# Altium PCB LAY-94611_B.PcbDoc (part 15 of 16)
Units mil, origin at the board's own origin, x right, y up, seen from the top; angles counter-clockwise.
Board outline 4133.86 x 2559.05 mil, 10 copper layers (TOP, GND02, ART03, PWR04, PWR05, ART06, GND7, ART08, GND09, BOTTOM), stack 57.82 mil thick; 1104 components, 727 nets, 3774 pads, 1630 vias.
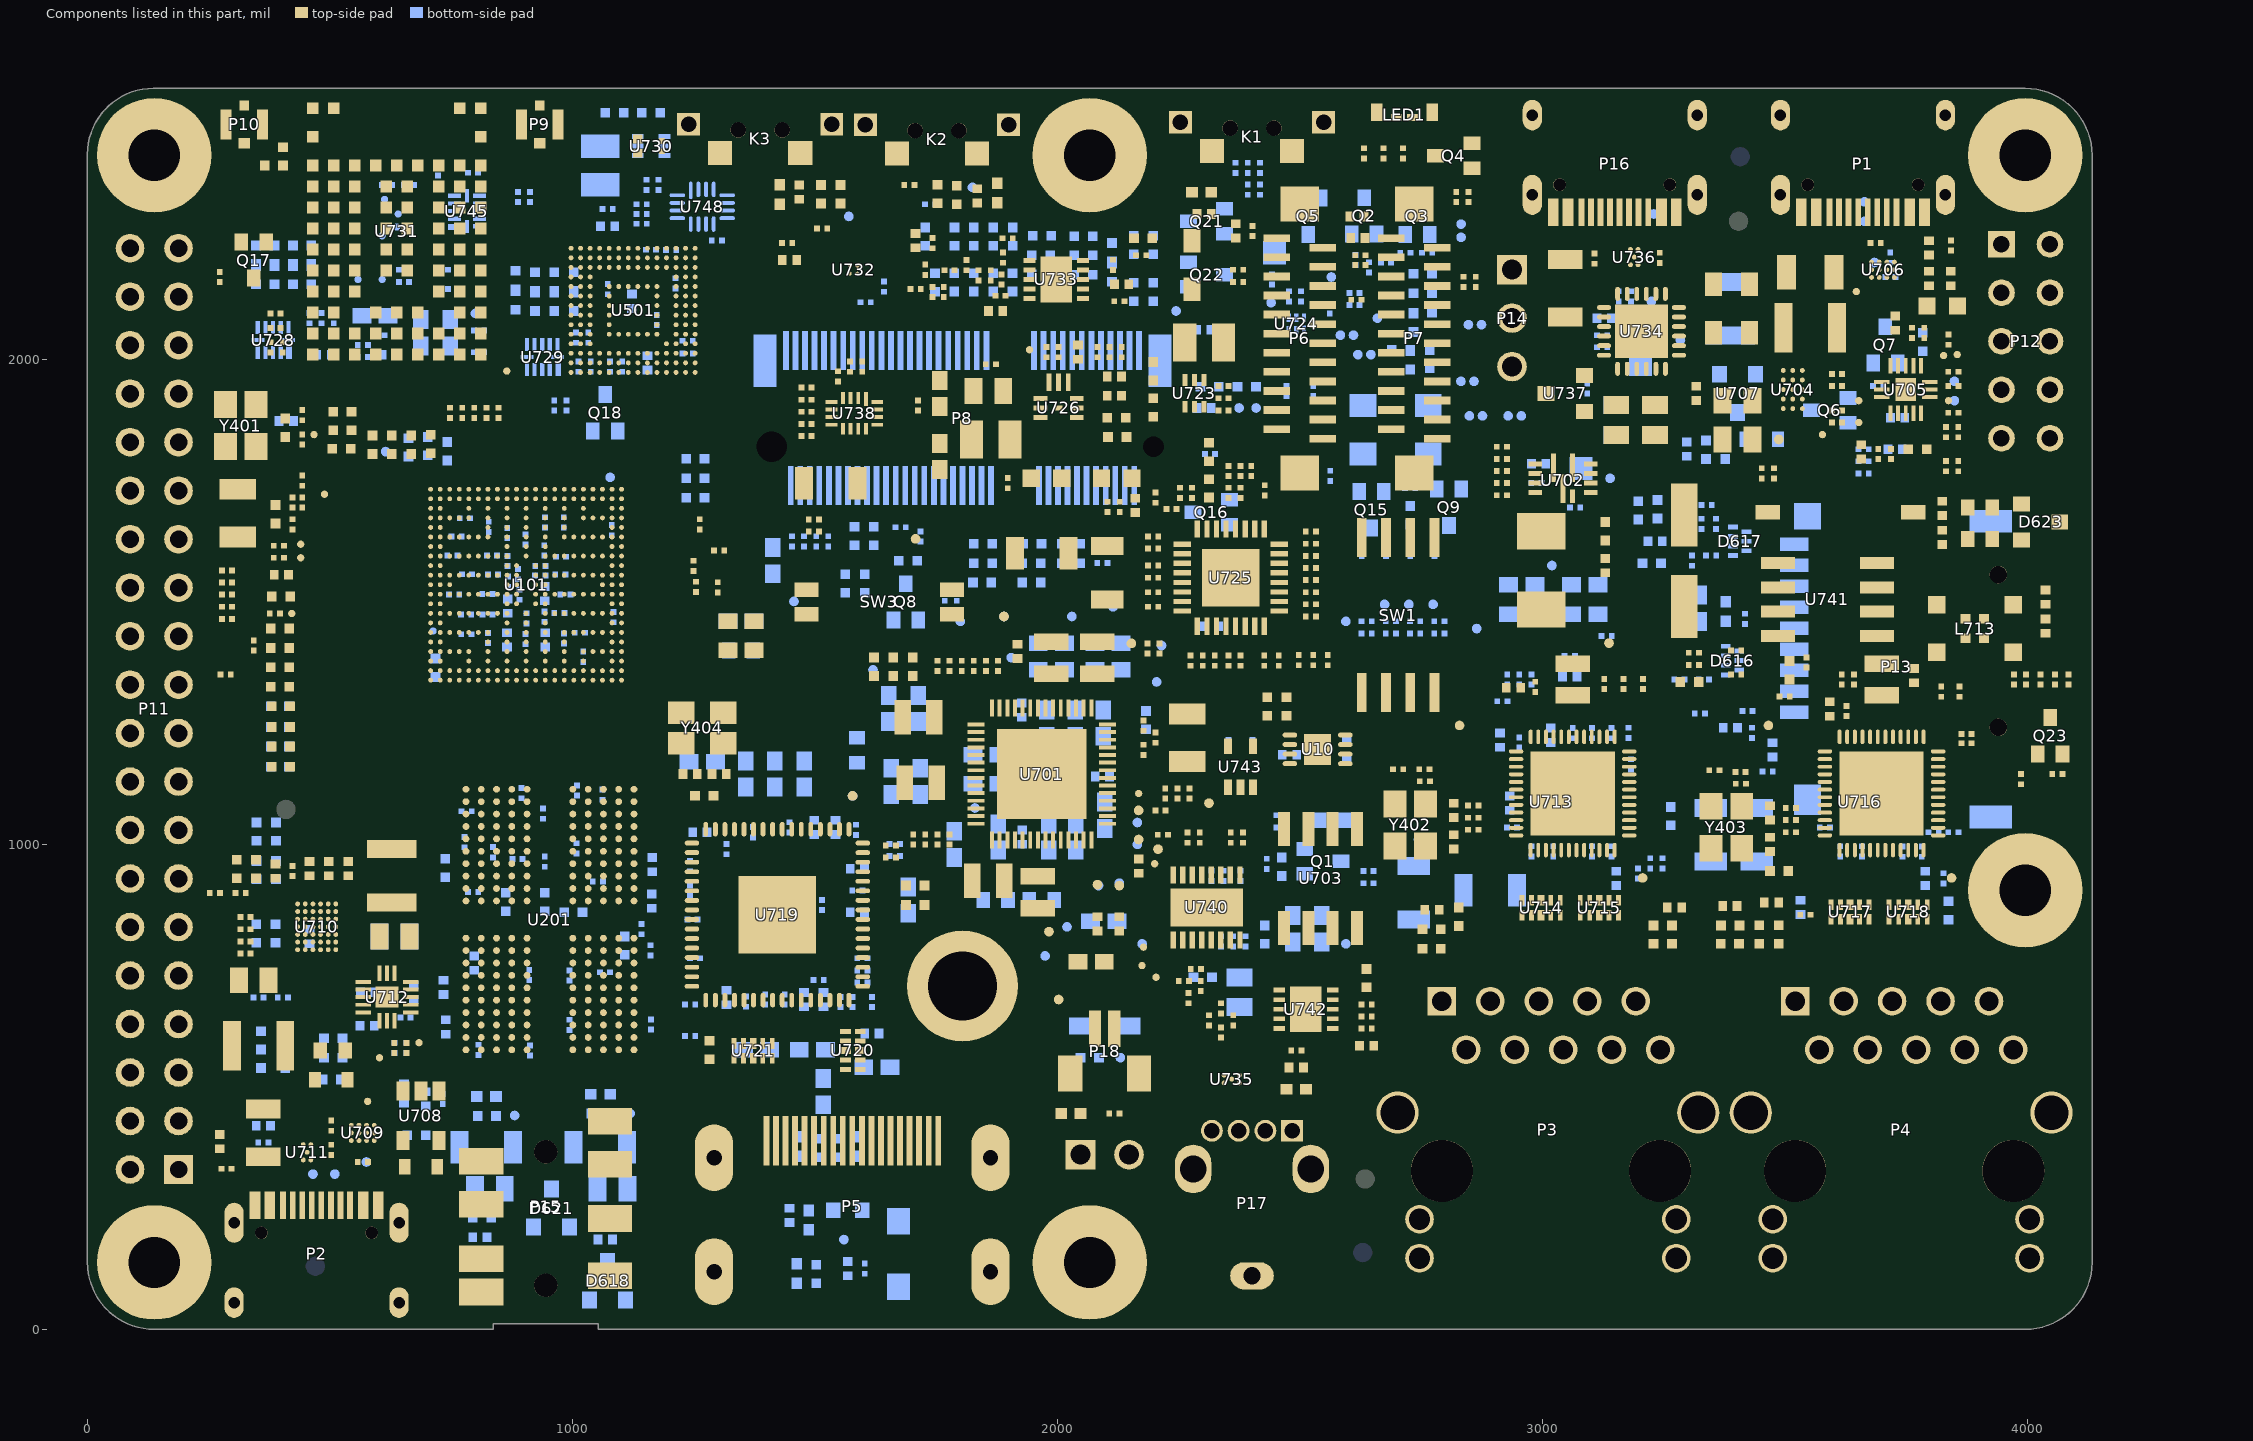
[diagram p23: the components of this part, seen from the top]

## Polygon pours and split planes (outlines as drawn) (continued)
USBC_VBUS_F on TOP "USBC_VBUS_F_L01_P384" (solid, remove dead copper, pour order 384): 29 vertices, not listed, extent 312.8,425 515.8,848
GND on TOP "GND_L01_P380" (solid, remove dead copper, pour order 380): 562.8,1080 562.8,980 572.8,970 682.8,970 697.8,985 700,985 700,997.93 630,1067.93 630,1085 567.8,1085
GND on TOP "GND_L01_P379" (solid, remove dead copper, pour order 379): 604.8,2239 669.8,2239 679.8,2229 679.8,2124 674.8,2119 617.31,2119 599.8,2136.51 599.8,2234
LPD4/X_VDD1 on TOP "LPD4/X_VDD1_L01_P376" (solid, remove dead copper, pour order 376): 23 vertices, not listed, extent 1165.8,2238 1259.8,2404
GND on TOP "GND_L01_P371" (solid, remove dead copper, pour order 371): 1058.8,1443 1064.8,1443 1069.8,1438 1069.8,1395 1067.8,1393 1058.8,1393 1055.8,1396 1055.8,1440
GND on TOP "GND_L01_P370" (solid, remove dead copper, pour order 370): 761.8,1388.12 759.8,1386.12 759.8,1367.59 760.26,1367.13 1050.93,1367.13 1051.8,1368 1051.8,1385 1048.68,1388.12 762.92,1388.12 762.8,1388
LPD4/X_VDDQ on TOP "LPD4/X_VDDQ_L01_P367" (solid, remove dead copper, pour order 367): 20 vertices, not listed, extent 814.18,1430.54 894.53,1463.54
LPD4/X_VDD1 on TOP "LPD4/X_VDD1_L01_P366" (solid, remove dead copper, pour order 366): 17 vertices, not listed, extent 974.64,1508.34 992.33,1559.97
GND on TOP "GND_L01_P365" (solid, remove dead copper, pour order 365): 968.41,1519.23 970.92,1516.72 970.92,1474.1 968.01,1471.19 961.03,1471.19 953.73,1478.49 ccw(c948.07,1478.49) 952.07,1482.5 951.14,1483.43 cw(c953.88,1486.17) 950.01,1486.17 950.01,1486.25 cw(c953.94,1486.25) 951.16,1489.03 952.74,1490.61 ccw(c947.7,1495.64) 954.82,1495.64 954.82,1513.38 960.67,1519.23
VDD_SOC_0V8 on TOP "VDD_SOC_0V8_L01_P363" (solid, remove dead copper, pour order 363): 866.3,1504.5 860.84,1499.04 860.76,1499.04 860.8,1499 860.8,1495 866.35,1495 868.77,1492.58 945.38,1492.58 948.8,1496 948.8,1523 884.8,1523 876.8,1515 876.8,1507 874.3,1504.5
VDD_SOC_0V8 on TOP "VDD_SOC_0V8_L01_P361" (solid, remove dead copper, pour order 361): 17 vertices, not listed, extent 860.8,1546 948.8,1580
GND on GND02 "GND_L02_P231" (solid, remove dead copper, pour order 231): 136.02,2559.05 134,2559.05 ccw(c134,2425.05) 0,2425.05 0,134 ccw(c134,134) 134,0 3999.86,0 ccw(c3999.86,134) 4133.86,134 4133.86,2425.05 ccw(c3999.86,2425.05) 3999.86,2559.05 3136.92,2559.05
GND on GND7 "GND_L07_P270" (solid, remove dead copper, pour order 270): 27 vertices, not listed, extent 25.01,25.01 4108.85,2534.04
GND on GND09 "GND_L09_P275" (solid, remove dead copper, pour order 275): 27 vertices, not listed, extent 25.01,25.01 4108.85,2534.04

## Keep-outs
TOP:
  region: 457.81,1072.16 456.16,1084.69 451.33,1096.37 443.63,1106.39 433.61,1114.09 421.93,1118.92 409.4,1120.57 396.87,1118.92 385.19,1114.09 375.17,1106.39 367.47,1096.37 362.64,1084.69 360.99,1072.16 362.64,1059.63 367.47,1047.95 375.17,1037.93 385.19,1030.23 396.87,1025.4 409.4,1023.75 421.93,1025.4 433.61,1030.23 443.63,1037.93 451.33,1047.95 456.16,1059.63 457.81,1072.16
  region: 2683.41,310 2681.76,322.53 2676.93,334.21 2669.23,344.23 2659.21,351.93 2647.53,356.76 2635,358.41 2622.47,356.76 2610.79,351.93 2600.77,344.23 2593.07,334.21 2588.24,322.53 2586.59,310 2588.24,297.47 2593.07,285.79 2600.77,275.77 2610.79,268.07 2622.47,263.24 2635,261.59 2647.53,263.24 2659.21,268.07 2669.23,275.77 2676.93,285.79 2681.76,297.47 2683.41,310
  region: 3453.41,2285 3451.76,2297.53 3446.93,2309.21 3439.23,2319.23 3429.21,2326.93 3417.53,2331.76 3405,2333.41 3392.47,2331.76 3380.79,2326.93 3370.77,2319.23 3363.07,2309.21 3358.24,2297.53 3356.59,2285 3358.24,2272.47 3363.07,2260.79 3370.77,2250.77 3380.79,2243.07 3392.47,2238.24 3405,2236.59 3417.53,2238.24 3429.21,2243.07 3439.23,2250.77 3446.93,2260.79 3451.76,2272.47 3453.41,2285
BOTTOM:
  region: 3456.81,2418.16 3455.16,2430.69 3450.33,2442.37 3442.63,2452.39 3432.61,2460.09 3420.93,2464.92 3408.4,2466.57 3395.87,2464.92 3384.19,2460.09 3374.17,2452.39 3366.47,2442.37 3361.64,2430.69 3359.99,2418.16 3361.64,2405.63 3366.47,2393.95 3374.17,2383.93 3384.19,2376.23 3395.87,2371.4 3408.4,2369.75 3420.93,2371.4 3432.61,2376.23 3442.63,2383.93 3450.33,2393.95 3455.16,2405.63 3456.81,2418.16
  region: 518.41,130 516.76,142.53 511.93,154.21 504.23,164.23 494.21,171.93 482.53,176.76 470,178.41 457.47,176.76 445.79,171.93 435.77,164.23 428.07,154.21 423.24,142.53 421.59,130 423.24,117.47 428.07,105.79 435.77,95.77 445.79,88.07 457.47,83.24 470,81.59 482.53,83.24 494.21,88.07 504.23,95.77 511.93,105.79 516.76,117.47 518.41,130
  region: 2678.31,158.16 2676.66,170.69 2671.83,182.37 2664.13,192.39 2654.11,200.09 2642.43,204.92 2629.9,206.57 2617.37,204.92 2605.69,200.09 2595.67,192.39 2587.97,182.37 2583.14,170.69 2581.49,158.16 2583.14,145.63 2587.97,133.95 2595.67,123.93 2605.69,116.23 2617.37,111.4 2629.9,109.75 2642.43,111.4 2654.11,116.23 2664.13,123.93 2671.83,133.95 2676.66,145.63 2678.31,158.16
Multi-Layer:
  region: 4153.56,5171.84 4114.18,5171.84 4114.18,5565.54 4153.56,5565.54
  region: 19.69,5296.84 19.69,5690.54 -19.69,5690.54 -19.69,5296.84

## Other copper
TOP:
  pour cut-out: 811.03,2373.42 cw(c811.03,2399.92) 811.03,2426.42 847.45,2426.42 ccw(c847.45,2494.46) 895.56,2446.35 914.06,2464.86 cw(c932.79,2446.11) 932.78,2472.61 932.8,2472.61 cw(c932.8,2446.11) 959.3,2446.11 959.3,2446.09 cw(c932.8,2446.1) 951.55,2427.37 933.04,2408.87 cw(c847.45,2494.46) 847.46,2373.42
  pour cut-out: 464.57,2485.48 cw(c464.57,2458.98) 464.57,2432.48 440.01,2432.48 ccw(c440.01,2421.3) 432.1,2429.2 429.88,2426.98 429.88,2426.46 464.54,2426.46 cw(c464.54,2399.96) 483.27,2418.71 483.32,2418.66 cw(c464.57,2399.93) 491.07,2399.93 491.07,2399.92 cw(c464.57,2399.92) 464.57,2373.42 cw(c464.57,2399.92) 463.11,2373.46 404.81,2373.46 cw(c403.35,2399.92) 403.35,2373.42 351.28,2373.42 cw(c351.29,2424.33) 315.29,2388.33 312.15,2391.47 cw(c349.23,2428.54) 296.8,2428.53 296.8,2446.11 cw(c323.3,2446.11) 349.8,2446.11 349.8,2428.78 352.16,2426.42 376.88,2426.42 376.88,2436.46 cw(c403.34,2437.92) 376.84,2437.92 376.84,2437.93 cw(c403.34,2437.93) 384.59,2456.66 394.62,2466.68 cw(c440.01,2421.29) 440,2485.48
  region net ENET1_TRXP3: 3015.88,633.77 3022.21,671.94 2992.95,677.08 2979.52,650.59 3013.86,632.76 ccw(c3014.5,634)
  region net ENET1_TRXP2: 2894.1,637.2 2912.79,655.91 2893.11,677.12 2873.43,655.91 2892.12,637.2 ccw(c2893.11,638.19)
  region net CAN_H: 4049.6,1905.53 4062.24,1918.17 4047.13,1938.48 4032.02,1918.17 4044.66,1905.53 ccw(c4047.13,1908)
  region net GND: 657.67,2415.64 782.86,2415.64 cw(c782.86,2411.64) 786.55,2410.11 ccw(c811.03,2399.94) 784.52,2399.92 ccw(c811.04,2399.92) 793.32,2380.19 cw(c790.65,2377.21) 793.44,2374.35 ccw(c799.02,2368.6) 792.59,2373.38 cw(c789.38,2375.76) 786.16,2373.38 ccw(c779.71,2368.61) 779.72,2376.63 712.41,2376.63 ccw(c712.4,2368.61) 708.81,2375.78 cw(c707.02,2379.35) 703.68,2377.16 ccw(c692.8,2369.99) 692.8,2383.02 ccw(c692.8,2370) 681.57,2376.59 cw(c678.12,2378.61) 675.9,2375.28 ccw(c671.45,2368.62) 671.45,2376.63 659.35,2376.63 cw(c659.35,2380.63) 656.17,2383.06 ccw(c649.8,2387.93) 657.82,2387.92 657.82,2411.92 ccw(c649.8,2411.92) 657.7,2413.3 657.67,2413.47
  region net SYS_NRST: 2046.58,416.85 2020.23,390.49 2047.8,359.55 2075.37,390.49 2049.02,416.85 ccw(c2047.8,415.51)
  region net I3C_INT: 3921.44,2010.11 3947.13,2010.11 3947.45,2037.93 3919.63,2037.61 3919.63,2011.92 ccw(c3921.44,2011.92)
  region net ENET2_TRXP3: 3744.23,633.77 3750.56,671.94 3721.3,677.08 3707.87,650.59 3742.21,632.76 ccw(c3742.85,634)
  region net EXP_GPIO_IO10: 239.82,1243.77 207.77,1250.87 187.36,1229.42 208.65,1208.68 240.71,1240.72 ccw(c239.43,1242)
  region net CAN_L: 4044.66,1874.02 4027.69,1857.05 4047.13,1836.74 4066.57,1857.05 4049.6,1874.02 ccw(c4047.13,1871.55)
  region net EXP_GPIO_IO09: 160.11,1300.03 187.8,1300.03 188.12,1329.85 158.3,1329.53 158.3,1301.84 ccw(c160.11,1301.84)
  region net ENET2_TRXN3: 3748.7,619.77 3742.37,581.61 3771.62,576.46 3785.05,602.94 3750.72,620.78 ccw(c3750.08,619.54)
  region net ENET2_TRXP2: 3644.23,633.77 3650.56,671.94 3621.3,677.08 3607.87,650.59 3642.21,632.76 ccw(c3642.85,634)
  region net EXP_GPIO_IO06: 140.67,1855.63 158.73,1828.64 188.19,1829.3 187.22,1858.44 142.17,1858.45 ccw(c142.17,1856.64)
  region net EXP_GPIO_IO11: 217.3,1401.84 217.3,1429.53 187.48,1429.85 187.8,1400.03 215.49,1400.03 ccw(c215.49,1401.84)
  region net EXP_GPIO_IO08: 117.3,1401.84 117.3,1429.53 87.48,1429.85 87.8,1400.03 115.49,1400.03 ccw(c115.49,1401.84)
  region net ENET1_TRXN2: 2914.9,603.58 2914.92,578.07 2943.36,576.52 2941.81,604.96 2916.3,604.98 ccw(c2916.3,603.58)
  region net GND: 492.74,2415.64 617.93,2415.64 617.93,2413.47 617.9,2413.3 ccw(c625.8,2411.92) 617.78,2411.92 617.78,2387.92 ccw(c625.8,2387.93) 619.43,2383.06 cw(c616.25,2380.63) 616.25,2376.63 604.15,2376.63 ccw(c604.15,2368.61) 599.84,2375.37 cw(c597.69,2378.74) 594.19,2376.81 ccw(c582.8,2370.5) 582.8,2383.52 ccw(c582.8,2370.51) 571.74,2377.36 cw(c568.34,2379.47) 566.62,2375.86 ccw(c563.19,2368.61) 563.19,2376.63 542.84,2376.63 542.82,2378.61 ccw(c529.8,2378.5) 516.78,2378.61 516.76,2376.63 495.88,2376.63 ccw(c495.89,2368.61) 489.44,2373.38 cw(c486.23,2375.76) 483.01,2373.38 ccw(c476.58,2368.6) 482.16,2374.35 cw(c484.95,2377.21) 482.28,2380.19 ccw(c464.56,2399.92) 491.08,2399.92 ccw(c464.57,2399.94) 489.05,2410.11 cw(c492.74,2411.64)
  region net ENET1_TRXN3: 3020.35,619.77 3014.02,581.61 3043.27,576.46 3056.7,602.94 3022.37,620.78 ccw(c3021.73,619.54)
  region net ENET2_TRXN2: 3648.7,619.77 3642.37,581.61 3671.62,576.46 3685.05,602.94 3650.72,620.78 ccw(c3650.08,619.54)
  region net EXP_GPIO_IO07: 128.24,1530.81 108.65,1550.38 87.35,1529.53 108.65,1508.68 128.24,1528.25 ccw(c126.96,1529.53)
  region net NetR2707_2: 3416.8,1155 3430,1155 3435,1150 3439.9,1145.1 3439.9,1055.1 3434.81,1050.02 3389.79,1050.02 3384.8,1055 3384.8,1105 3389.79,1109.98 3399.29,1109.98 ccw(c3399.13,1124.99) 3399.92,1110 3409.8,1110 3413.8,1114 3413.8,1121.13 3413.86,1121.37 ccw(c3399.29,1124.98) 3414.3,1125 ccw(c3399.29,1125.02) 3413.86,1128.63 3413.8,1128.87 3413.8,1136.84 3414.82,1137.85 3414.82,1153.01
  region net I3C_SDA: 3926.16,1814.83 3942.41,1814.84 3947.45,1837.93 3924.36,1832.89 3924.35,1816.64 ccw(c3926.16,1816.64)
  region net GND: 573.05,1474.45 572.5,1477.22 570.93,1479.58 568.57,1481.15 565.8,1481.7 563.03,1481.15 562.24,1480.62 560.67,1479.58 559.1,1477.22 558.55,1474.45 559.1,1471.68 560.67,1469.32 562.24,1468.28 563.03,1467.75 565.8,1467.2 568.57,1467.75 570.93,1469.32 572.5,1471.68 573.05,1474.45
  region net GND: 1600.05,1260 1599.5,1262.77 1597.93,1265.13 1595.57,1266.7 1592.8,1267.25 1590.03,1266.7 1589.24,1266.17 1587.67,1265.13 1586.1,1262.77 1585.55,1260 1586.1,1257.23 1587.67,1254.87 1589.24,1253.83 1590.03,1253.3 1592.8,1252.75 1595.57,1253.3 1597.93,1254.87 1599.5,1257.23 1600.05,1260
  region net GND: 3097.39,2510 3096.05,2513.25 3092.8,2514.59 3090.66,2513.7 3089.55,2513.25 3088.21,2510 3089.55,2506.75 3090.66,2506.3 3092.8,2505.41 3096.05,2506.75 3097.39,2510
  region net GND: 3892.64,1841 3891.22,1844.42 3887.8,1845.84 3885.55,1844.9 3884.38,1844.42 3882.96,1841 3884.38,1837.58 3885.55,1837.1 3887.8,1836.16 3891.22,1837.58 3892.64,1841
  region net GND: 1490.05,1260 1489.5,1262.77 1487.93,1265.13 1485.57,1266.7 1482.8,1267.25 1480.03,1266.7 1479.24,1266.17 1477.67,1265.13 1476.1,1262.77 1475.55,1260 1476.1,1257.23 1477.67,1254.87 1479.24,1253.83 1480.03,1253.3 1482.8,1252.75 1485.57,1253.3 1487.93,1254.87 1489.5,1257.23 1490.05,1260
  region net GND: 483.05,1294.45 482.5,1297.22 480.93,1299.58 478.57,1301.15 475.8,1301.7 473.03,1301.15 472.24,1300.62 470.67,1299.58 469.1,1297.22 468.55,1294.45 469.1,1291.68 470.67,1289.32 472.24,1288.28 473.03,1287.75 475.8,1287.2 478.57,1287.75 480.93,1289.32 482.5,1291.68 483.05,1294.45
  region net GND: 483.05,1249.45 482.5,1252.22 480.93,1254.58 478.57,1256.15 475.8,1256.7 473.03,1256.15 472.24,1255.62 470.67,1254.58 469.1,1252.22 468.55,1249.45 469.1,1246.68 470.67,1244.32 472.24,1243.28 473.03,1242.75 475.8,1242.2 478.57,1242.75 480.93,1244.32 482.5,1246.68 483.05,1249.45
  region net GND: 718.26,1962 716.95,1965.15 713.8,1966.46 711.72,1965.6 710.65,1965.15 709.34,1962 710.65,1958.85 711.72,1958.4 713.8,1957.54 716.95,1958.85 718.26,1962
  region net GND: 973.46,911 972.15,914.15 969,915.46 966.92,914.6 965.85,914.15 964.54,911 965.85,907.85 966.92,907.4 969,906.54 972.15,907.85 973.46,911
  region net GND: 528.05,1179.45 527.5,1182.22 525.93,1184.58 523.57,1186.15 520.8,1186.7 518.03,1186.15 517.24,1185.62 515.67,1184.58 514.1,1182.22 513.55,1179.45 514.1,1176.68 515.67,1174.32 517.24,1173.28 518.03,1172.75 520.8,1172.2 523.57,1172.75 525.93,1174.32 527.5,1176.68 528.05,1179.45
  region net GND: 483.05,1699.45 482.5,1702.22 480.93,1704.58 478.57,1706.15 475.8,1706.7 473.03,1706.15 472.24,1705.62 470.67,1704.58 469.1,1702.22 468.55,1699.45 469.1,1696.68 470.67,1694.32 472.24,1693.28 473.03,1692.75 475.8,1692.2 478.57,1692.75 480.93,1694.32 482.5,1696.68 483.05,1699.45
  region net GND: 483.05,1564.45 482.5,1567.22 480.93,1569.58 478.57,1571.15 475.8,1571.7 473.03,1571.15 472.24,1570.62 470.67,1569.58 469.1,1567.22 468.55,1564.45 469.1,1561.68 470.67,1559.32 472.24,1558.28 473.03,1557.75 475.8,1557.2 478.57,1557.75 480.93,1559.32 482.5,1561.68 483.05,1564.45
  region net GND: 483.05,1429.45 482.5,1432.22 480.93,1434.58 478.57,1436.15 475.8,1436.7 473.03,1436.15 472.24,1435.62 470.67,1434.58 469.1,1432.22 468.55,1429.45 469.1,1426.68 470.67,1424.32 472.24,1423.28 473.03,1422.75 475.8,1422.2 478.57,1422.75 480.93,1424.32 482.5,1426.68 483.05,1429.45
  region net GND: 573.05,1519.45 572.5,1522.22 570.93,1524.58 568.57,1526.15 565.8,1526.7 563.03,1526.15 562.24,1525.62 560.67,1524.58 559.1,1522.22 558.55,1519.45 559.1,1516.68 560.67,1514.32 562.24,1513.28 563.03,1512.75 565.8,1512.2 568.57,1512.75 570.93,1514.32 572.5,1516.68 573.05,1519.45
  region net CAN_H: 4080.05,1532 4079.5,1534.77 4077.93,1537.13 4075.57,1538.7 4072.8,1539.25 4070.03,1538.7 4069.24,1538.17 4067.67,1537.13 4066.1,1534.77 4065.55,1532 4066.1,1529.23 4067.67,1526.87 4069.24,1525.83 4070.03,1525.3 4072.8,1524.75 4075.57,1525.3 4077.93,1526.87 4079.5,1529.23 4080.05,1532
  region net CAN_L: 4080.05,1427 4079.5,1429.77 4077.93,1432.13 4075.57,1433.7 4072.8,1434.25 4070.03,1433.7 4069.24,1433.17 4067.67,1432.13 4066.1,1429.77 4065.55,1427 4066.1,1424.23 4067.67,1421.87 4069.24,1420.83 4070.03,1420.3 4072.8,1419.75 4075.57,1420.3 4077.93,1421.87 4079.5,1424.23 4080.05,1427
  region net GND: 317.13,1090 315.86,1093.06 312.8,1094.33 310.78,1093.49 309.74,1093.06 308.47,1090 309.74,1086.94 310.78,1086.51 312.8,1085.67 315.86,1086.94 317.13,1090
  region net GND: 573.05,1654.45 572.5,1657.22 570.93,1659.58 568.57,1661.15 565.8,1661.7 563.03,1661.15 562.24,1660.62 560.67,1659.58 559.1,1657.22 558.55,1654.45 559.1,1651.68 560.67,1649.32 562.24,1648.28 563.03,1647.75 565.8,1647.2 568.57,1647.75 570.93,1649.32 572.5,1651.68 573.05,1654.45
  region net GND: 483.05,1474.45 482.5,1477.22 480.93,1479.58 478.57,1481.15 475.8,1481.7 473.03,1481.15 472.24,1480.62 470.67,1479.58 469.1,1477.22 468.55,1474.45 469.1,1471.68 470.67,1469.32 472.24,1468.28 473.03,1467.75 475.8,1467.2 478.57,1467.75 480.93,1469.32 482.5,1471.68 483.05,1474.45
  region net GND: 573.05,1699.45 572.5,1702.22 570.93,1704.58 568.57,1706.15 565.8,1706.7 563.03,1706.15 562.24,1705.62 560.67,1704.58 559.1,1702.22 558.55,1699.45 559.1,1696.68 560.67,1694.32 562.24,1693.28 563.03,1692.75 565.8,1692.2 568.57,1692.75 570.93,1694.32 572.5,1696.68 573.05,1699.45
  region net GND: 1545.05,1260 1544.5,1262.77 1542.93,1265.13 1540.57,1266.7 1537.8,1267.25 1535.03,1266.7 1534.24,1266.17 1532.67,1265.13 1531.1,1262.77 1530.55,1260 1531.1,1257.23 1532.67,1254.87 1534.24,1253.83 1535.03,1253.3 1537.8,1252.75 1540.57,1253.3 1542.93,1254.87 1544.5,1257.23 1545.05,1260
  region net LPD4/X_VDD1: 3360.8,1171 3360.8,1142 3362.8,1140 3402.8,1140 3404.8,1142 3404.8,1163 3412.3,1170.5 3412.3,1185.5 3407.8,1190 3367.8,1190 3360.8,1183 3360.8,1181
  region net GND: 2397.66,1836.15 2396.32,1839.4 2393.07,1840.74 2390.93,1839.85 2389.82,1839.4 2388.48,1836.15 2389.82,1832.9 2390.93,1832.45 2393.07,1831.56 2396.32,1832.9 2397.66,1836.15
  region net GND: 483.05,1339.45 482.5,1342.22 480.93,1344.58 478.57,1346.15 475.8,1346.7 473.03,1346.15 472.24,1345.62 470.67,1344.58 469.1,1342.22 468.55,1339.45 469.1,1336.68 470.67,1334.32 472.24,1333.28 473.03,1332.75 475.8,1332.2 478.57,1332.75 480.93,1334.32 482.5,1336.68 483.05,1339.45
  region net GND: 2909.04,1883.78 2907.5,1887.48 2903.8,1889.02 2901.36,1888.01 2900.1,1887.48 2898.56,1883.78 2900.1,1880.08 2901.36,1879.55 2903.8,1878.54 2907.5,1880.08 2909.04,1883.78
  region net GND: 573.05,1294.45 572.5,1297.22 570.93,1299.58 568.57,1301.15 565.8,1301.7 563.03,1301.15 562.24,1300.62 560.67,1299.58 559.1,1297.22 558.55,1294.45 559.1,1291.68 560.67,1289.32 562.24,1288.28 563.03,1287.75 565.8,1287.2 568.57,1287.75 570.93,1289.32 572.5,1291.68 573.05,1294.45
  region net GND: 573.05,1339.45 572.5,1342.22 570.93,1344.58 568.57,1346.15 565.8,1346.7 563.03,1346.15 562.24,1345.62 560.67,1344.58 559.1,1342.22 558.55,1339.45 559.1,1336.68 560.67,1334.32 562.24,1333.28 563.03,1332.75 565.8,1332.2 568.57,1332.75 570.93,1334.32 572.5,1336.68 573.05,1339.45
  region net GND: 300.26,2290 298.95,2293.15 295.8,2294.46 293.72,2293.6 292.65,2293.15 291.34,2290 292.65,2286.85 293.72,2286.4 295.8,2285.54 298.95,2286.85 300.26,2290
  region net GND: 2913.13,801 2911.86,804.06 2908.8,805.33 2906.78,804.49 2905.74,804.06 2904.47,801 2905.74,797.94 2906.78,797.51 2908.8,796.67 2911.86,797.94 2913.13,801
  region net GND: 3426.32,1778 3424.7,1781.9 3420.8,1783.52 3418.23,1782.45 3416.9,1781.9 3415.28,1778 3416.9,1774.1 3418.23,1773.55 3420.8,1772.48 3424.7,1774.1 3426.32,1778
  region net GND: 573.05,1249.45 572.5,1252.22 570.93,1254.58 568.57,1256.15 565.8,1256.7 563.03,1256.15 562.24,1255.62 560.67,1254.58 559.1,1252.22 558.55,1249.45 559.1,1246.68 560.67,1244.32 562.24,1243.28 563.03,1242.75 565.8,1242.2 568.57,1242.75 570.93,1244.32 572.5,1246.68 573.05,1249.45
  region net GND: 425.05,460 424.5,462.77 422.93,465.13 420.57,466.7 417.8,467.25 415.03,466.7 414.24,466.17 412.67,465.13 411.1,462.77 410.55,460 411.1,457.23 412.67,454.87 414.24,453.83 415.03,453.3 417.8,452.75 420.57,453.3 422.93,454.87 424.5,457.23 425.05,460
  region net GND: 2828.75,1883.78 2827.3,1887.28 2823.8,1888.73 2821.5,1887.77 2820.3,1887.28 2818.85,1883.78 2820.3,1880.28 2821.5,1879.79 2823.8,1878.83 2827.3,1880.28 2828.75,1883.78
  region net GND: 573.05,1609.45 572.5,1612.22 570.93,1614.58 568.57,1616.15 565.8,1616.7 563.03,1616.15 562.24,1615.62 560.67,1614.58 559.1,1612.22 558.55,1609.45 559.1,1606.68 560.67,1604.32 562.24,1603.28 563.03,1602.75 565.8,1602.2 568.57,1602.75 570.93,1604.32 572.5,1606.68 573.05,1609.45
  region net GND: 483.05,1654.45 482.5,1657.22 480.93,1659.58 478.57,1661.15 475.8,1661.7 473.03,1661.15 472.24,1660.62 470.67,1659.58 469.1,1657.22 468.55,1654.45 469.1,1651.68 470.67,1649.32 472.24,1648.28 473.03,1647.75 475.8,1647.2 478.57,1647.75 480.93,1649.32 482.5,1651.68 483.05,1654.45
  region net GND: 623.05,1206.45 622.5,1209.22 620.93,1211.58 618.57,1213.15 615.8,1213.7 613.03,1213.15 612.24,1212.62 610.67,1211.58 609.1,1209.22 608.55,1206.45 609.1,1203.68 610.67,1201.32 612.24,1200.28 613.03,1199.75 615.8,1199.2 618.57,1199.75 620.93,1201.32 622.5,1203.68 623.05,1206.45
  region net GND: 3630.39,792 3629.05,795.25 3625.8,796.59 3623.66,795.7 3622.55,795.25 3621.21,792 3622.55,788.75 3623.66,788.3 3625.8,787.41 3629.05,788.75 3630.39,792
  region net GND: 573.05,1429.45 572.5,1432.22 570.93,1434.58 568.57,1436.15 565.8,1436.7 563.03,1436.15 562.24,1435.62 560.67,1434.58 559.1,1432.22 558.55,1429.45 559.1,1426.68 560.67,1424.32 562.24,1423.28 563.03,1422.75 565.8,1422.2 568.57,1422.75 570.93,1424.32 572.5,1426.68 573.05,1429.45
  region net GND: 483.05,1384.45 482.5,1387.22 480.93,1389.58 478.57,1391.15 475.8,1391.7 473.03,1391.15 472.24,1390.62 470.67,1389.58 469.1,1387.22 468.55,1384.45 469.1,1381.68 470.67,1379.32 472.24,1378.28 473.03,1377.75 475.8,1377.2 478.57,1377.75 480.93,1379.32 482.5,1381.68 483.05,1384.45
  region net GND: 573.05,1384.45 572.5,1387.22 570.93,1389.58 568.57,1391.15 565.8,1391.7 563.03,1391.15 562.24,1390.62 560.67,1389.58 559.1,1387.22 558.55,1384.45 559.1,1381.68 560.67,1379.32 562.24,1378.28 563.03,1377.75 565.8,1377.2 568.57,1377.75 570.93,1379.32 572.5,1381.68 573.05,1384.45
  region net GND: 1435.05,1260 1434.5,1262.77 1432.93,1265.13 1430.57,1266.7 1427.8,1267.25 1425.03,1266.7 1424.24,1266.17 1422.67,1265.13 1421.1,1262.77 1420.55,1260 1421.1,1257.23 1422.67,1254.87 1424.24,1253.83 1425.03,1253.3 1427.8,1252.75 1430.57,1253.3 1432.93,1254.87 1434.5,1257.23 1435.05,1260
  region net GND: 3887.26,1983 3885.95,1986.15 3882.8,1987.46 3880.72,1986.6 3879.65,1986.15 3878.34,1983 3879.65,1979.85 3880.72,1979.4 3882.8,1978.54 3885.95,1979.85 3887.26,1983
  region net GND: 483.05,1519.45 482.5,1522.22 480.93,1524.58 478.57,1526.15 475.8,1526.7 473.03,1526.15 472.24,1525.62 470.67,1524.58 469.1,1522.22 468.55,1519.45 469.1,1516.68 470.67,1514.32 472.24,1513.28 473.03,1512.75 475.8,1512.2 478.57,1512.75 480.93,1514.32 482.5,1516.68 483.05,1519.45
  region net GND: 1545.05,1355 1544.5,1357.77 1542.93,1360.13 1540.57,1361.7 1537.8,1362.25 1535.03,1361.7 1534.24,1361.17 1532.67,1360.13 1531.1,1357.77 1530.55,1355 1531.1,1352.23 1532.67,1349.87 1534.24,1348.83 1535.03,1348.3 1537.8,1347.75 1540.57,1348.3 1542.93,1349.87 1544.5,1352.23 1545.05,1355
  region net GND: 573.05,1564.45 572.5,1567.22 570.93,1569.58 568.57,1571.15 565.8,1571.7 563.03,1571.15 562.24,1570.62 560.67,1569.58 559.1,1567.22 558.55,1564.45 559.1,1561.68 560.67,1559.32 562.24,1558.28 563.03,1557.75 565.8,1557.2 568.57,1557.75 570.93,1559.32 572.5,1561.68 573.05,1564.45
  region net GND: 1600.05,1355 1599.5,1357.77 1597.93,1360.13 1595.57,1361.7 1592.8,1362.25 1590.03,1361.7 1589.24,1361.17 1587.67,1360.13 1586.1,1357.77 1585.55,1355 1586.1,1352.23 1587.67,1349.87 1589.24,1348.83 1590.03,1348.3 1592.8,1347.75 1595.57,1348.3 1597.93,1349.87 1599.5,1352.23 1600.05,1355
  region net GND: 483.05,1609.45 482.5,1612.22 480.93,1614.58 478.57,1616.15 475.8,1616.7 473.03,1616.15 472.24,1615.62 470.67,1614.58 469.1,1612.22 468.55,1609.45 469.1,1606.68 470.67,1604.32 472.24,1603.28 473.03,1602.75 475.8,1602.2 478.57,1602.75 480.93,1604.32 482.5,1606.68 483.05,1609.45
  region net GND: 3337.8,1165 3343.8,1165 3348.8,1160 3348.8,1140 3350.78,1138.02 3350.78,1137.85 3358.65,1129.98 3372.81,1129.98 3376.8,1126 3376.8,1117 3373.8,1114 3324.8,1114 3320.32,1118.48 3320.32,1147.52
  text "FRDM-IMX93 REV B ARTWORK TOP" at 550,-1175 h100
GND02:
  pour cut-out: 464.57,2485.48 cw(c464.57,2458.98) 464.57,2432.48 440.01,2432.48 ccw(c440.01,2421.3) 432.1,2429.2 429.88,2426.98 429.88,2426.46 464.54,2426.46 cw(c464.54,2399.96) 483.27,2418.71 483.32,2418.66 cw(c464.57,2399.93) 491.07,2399.93 491.07,2399.92 cw(c464.57,2399.92) 464.57,2373.42 cw(c464.57,2399.92) 463.11,2373.46 404.81,2373.46 cw(c403.35,2399.92) 403.35,2373.42 351.28,2373.42 cw(c351.29,2424.33) 315.29,2388.33 312.15,2391.47 cw(c349.23,2428.54) 296.8,2428.53 296.8,2446.11 cw(c323.3,2446.11) 349.8,2446.11 349.8,2428.78 352.16,2426.42 376.88,2426.42 376.88,2436.46 cw(c403.34,2437.92) 376.84,2437.92 376.84,2437.93 cw(c403.34,2437.93) 384.59,2456.66 394.62,2466.68 cw(c440.01,2421.29) 440,2485.48
  pour cut-out: 811.03,2373.42 cw(c811.03,2399.92) 811.03,2426.42 847.45,2426.42 ccw(c847.45,2494.46) 895.56,2446.35 914.06,2464.86 cw(c932.79,2446.11) 932.78,2472.61 932.8,2472.61 cw(c932.8,2446.11) 959.3,2446.11 959.3,2446.09 cw(c932.8,2446.1) 951.55,2427.37 933.04,2408.87 cw(c847.45,2494.46) 847.46,2373.42
  pour cut-out: 516,2534.04 520,2530.04 520,2506 519,2505 488,2505 480,2497 480,2416 481,2415 796,2415 798,2417 798,2501 794,2505 756,2505 755,2506 755,2532 757.04,2534.04
  text "FRDM-IMX93 REV B GROUND PLANE02" at 550,-1175 h100
ART03:
  pour cut-out: 946.8,2410 959.85,2423.05 959.64,2423.25 ccw(c946.6,2410.2) 933.55,2423.25 ccw(c946.84,2409.96) 933.55,2396.68 933.6,2396.63
  pour cut-out: 919.3,2387 932.35,2400.05 932.14,2400.25 ccw(c919.1,2387.2) 906.05,2400.25 ccw(c919.34,2386.96) 906.05,2373.68 906.1,2373.63
  pour cut-out: 850.8,2365.01 869.25,2365.01 869.25,2365.3 ccw(c850.8,2365.3) 850.8,2383.75 ccw(c850.8,2364.96) 832.01,2364.96 832.01,2364.89
  pour cut-out: 508.25,2379.22 cw(c529.09,2379.22) 529.09,2400.06 530.32,2400.06 cw(c530.32,2378.52) 545.55,2393.75 558.29,2381.01
  region net EXP_GPIO_IO25: 117.3,1301.58 117.3,1329.53 87.53,1329.8 87.8,1300.04 115.76,1300.04 ccw(c115.76,1301.58)
  region net EXP_GPIO_IO24: 123.8,1130.62 108.65,1145.77 87.41,1129.53 108.65,1113.29 123.8,1128.44 ccw(c122.71,1129.53)
  region net EXP_GPIO_IO04: 228.42,630.62 208.66,650.38 187.41,629.53 208.66,608.68 228.42,628.44 ccw(c227.33,629.53)
  region net EXP_GPIO_IO19: 148.17,2028.44 166.95,2009.66 188.19,2029.53 166.95,2049.4 148.17,2030.62 ccw(c149.26,2029.53)
  region net EXP_GPIO_IO17: 138.75,811.46 167.9,808.87 188.17,829.65 166.95,843.24 137.8,814.09 ccw(c138.89,813)
  region net EXP_GPIO_IO23: 58.3,1057.48 58.3,1029.53 88.07,1029.26 87.8,1059.02 59.84,1059.02 ccw(c59.84,1057.48)
  region net EXP_GPIO_IO14: 86.71,663.1 74,650.4 87.8,629.14 101.6,650.39 88.89,663.1 ccw(c87.8,662.01)
  region net EXP_GPIO_IO15: 58.3,757.48 58.3,729.53 88.07,729.26 87.8,759.02 59.84,759.02 ccw(c59.84,757.48)
  region net EXP_GPIO_IO27: 147.18,928.44 166.94,908.68 188.19,929.53 166.94,950.38 147.18,930.62 ccw(c148.27,929.53)
  region net JTAG_TCK: 2938.71,2141.91 2951.62,2154.83 2937.71,2185.72 2923.8,2154.83 2936.71,2141.91 ccw(c2937.71,2143.09)
  text "FRDM-IMX93 REV B ARTWORK LAYER03" at 550,-1175 h100
PWR04:
  text "FRDM-IMX93 REV B POWER PLANE04" at 550,-1175 h100
PWR05:
  region net VDD_3V3: 756,1775 769,1788 796,1788 802,1782 802,1750 797,1745 761,1745 756,1750
  text "FRDM-IMX93 REV B POWER PLANE05" at 550,-1175 h100
ART06:
  region net JTAG_TMS: 2978.88,2086.74 2959.27,2106.33 2937.21,2085.33 2959.28,2064.32 2978.88,2083.92 ccw(c2977.47,2085.33)
  region net EXP_GPIO_IO18: 115.3,859.03 87.8,859.03 87.45,829.18 117.3,829.53 117.3,857.03 ccw(c115.3,857.03)
  text "FRDM-IMX93 REV B ARTWORK LAYER06" at 550,-1175 h100
GND7:
  pour cut-out: 2281.78,2489 2280.83,2496.21 2278.05,2502.92 2273.62,2508.68 2267.86,2513.11 2261.15,2515.89 2253.94,2516.84 2246.73,2515.89 2240.02,2513.11 2234.26,2508.68 2229.83,2502.92 2227.05,2496.21 2226.1,2489 2227.05,2481.79 2229.83,2475.08 2234.26,2469.32 2240.02,2464.89 2246.73,2462.11 2253.94,2461.16 2261.15,2462.11 2267.86,2464.89 2273.62,2469.32 2278.05,2475.08 2280.83,2481.79 2281.78,2489
  pour cut-out: 1562.82,2485.06 1561.87,2492.27 1559.09,2498.98 1554.66,2504.74 1548.9,2509.17 1542.19,2511.95 1534.98,2512.9 1527.77,2511.95 1521.06,2509.17 1515.3,2504.74 1510.87,2498.98 1508.09,2492.27 1507.14,2485.06 1508.09,2477.85 1510.87,2471.14 1515.3,2465.38 1521.06,2460.95 1527.77,2458.17 1534.98,2457.22 1542.19,2458.17 1548.9,2460.95 1554.66,2465.38 1559.09,2471.14 1561.87,2477.85 1562.82,2485.06
  pour cut-out: 1267.54,2485.06 1266.59,2492.27 1263.81,2498.98 1259.38,2504.74 1253.62,2509.17 1246.91,2511.95 1239.7,2512.9 1232.49,2511.95 1225.78,2509.17 1220.02,2504.74 1215.59,2498.98 1212.81,2492.27 1211.86,2485.06 1212.81,2477.85 1215.59,2471.14 1220.02,2465.38 1225.78,2460.95 1232.49,2458.17 1239.7,2457.22 1246.91,2458.17 1253.62,2460.95 1259.38,2465.38 1263.81,2471.14 1266.59,2477.85 1267.54,2485.06
  pour cut-out: 1927.45,2483.87 1926.5,2491.08 1923.72,2497.79 1919.29,2503.55 1913.53,2507.98 1906.82,2510.76 1899.61,2511.71 1892.4,2510.76 1885.69,2507.98 1879.93,2503.55 1875.5,2497.79 1872.72,2491.08 1871.77,2483.87 1872.72,2476.66 1875.5,2469.95 1879.93,2464.19 1885.69,2459.76 1892.4,2456.98 1899.61,2456.03 1906.82,2456.98 1913.53,2459.76 1919.29,2464.19 1923.72,2469.95 1926.5,2476.66 1927.45,2483.87
  pour cut-out: 2977.41,1985.33 2976.06,1995.61 2972.09,2005.18 2965.78,2013.4 2957.56,2019.71 2947.99,2023.68 2937.71,2025.03 2927.43,2023.68 2917.86,2019.71 2909.64,2013.4 2903.33,2005.18 2899.36,1995.61 2898.01,1985.33 2899.36,1975.06 2903.33,1965.48 2909.64,1957.26 2917.86,1950.95 2927.43,1946.98 2937.71,1945.63 2947.99,1946.98 2957.56,1950.95 2965.78,1957.26 2972.09,1965.48 2976.06,1975.06 2977.41,1985.33
  pour cut-out: 2577.06,2489 2576.11,2496.21 2573.33,2502.92 2568.9,2508.68 2563.14,2513.11 2556.43,2515.89 2549.22,2516.84 2542.01,2515.89 2535.3,2513.11 2529.54,2508.68 2525.11,2502.92 2522.33,2496.21 2521.38,2489 2522.33,2481.79 2525.11,2475.08 2529.54,2469.32 2535.3,2464.89 2542.01,2462.11 2549.22,2461.16 2556.43,2462.11 2563.14,2464.89 2568.9,2469.32 2573.33,2475.08 2576.11,2481.79 2577.06,2489
  pour cut-out: 1632.17,2483.87 1631.22,2491.08 1628.44,2497.79 1624.01,2503.55 1618.25,2507.98 1611.54,2510.76 1604.33,2511.71 1597.12,2510.76 1590.41,2507.98 1584.65,2503.55 1580.22,2497.79 1577.44,2491.08 1576.49,2483.87 1577.44,2476.66 1580.22,2469.95 1584.65,2464.19 1590.41,2459.76 1597.12,2456.98 1604.33,2456.03 1611.54,2456.98 1618.25,2459.76 1624.01,2464.19 1628.44,2469.95 1631.22,2476.66 1632.17,2483.87
  text "FRDM-IMX93 REV B GROUND PLANE07" at 550,-1175 h100
ART08:
  region net ADC_IN0: 3973.08,2165.1 3947.13,2165.1 3946.86,2137.34 3974.62,2137.61 3974.62,2163.56 ccw(c3973.08,2163.56)
  region net EXP_GPIO_IO13: 228.42,1930.62 208.66,1950.38 187.41,1929.53 208.66,1908.68 228.42,1928.44 ccw(c227.33,1929.53)
  region net NVCC_BBSM_1V8: 779.51,1041.29 788.8,1032 788.8,979.73 ccw(c796.88,971.93) 788.8,964.13 788.8,958 777.8,947 774.58,947 774.58,949.22 774.62,949.43 ccw(c763.67,951.88) 774.89,951.86 ccw(c763.67,951.86) 752.45,951.86 ccw(c763.67,951.9) 752.47,951.23 cw(c748.48,951) 748.47,947 742.8,947 725.8,964 725.8,996.6 730.22,998.43 ccw(c722.03,1018.22) 737.17,1003.07 743.75,1009.66 cw(c746.57,1006.83) 749.94,1008.99 ccw(c759.39,1015.04) 759.39,1003.82 ccw(c759.39,1015.04) 770.61,1015.04 ccw(c759.39,1015.04) 765.44,1024.49 cw(c767.6,1027.86) 764.77,1030.68 766.7,1032.6 ccw(c751.55,1047.74) 771.34,1039.55 771.46,1039.85 ccw(c766.84,1050.07) 774.1,1041.52 cw(c776.68,1038.46)
  region net EXP_GPIO_IO21: 86.71,2270.15 66.95,2250.4 87.8,2229.14 108.65,2250.39 88.89,2270.15 ccw(c87.8,2269.06)
  region net EXP_GPIO_IO22: 153.41,1051.19 158.87,1023.77 188.12,1029.32 182.04,1058.46 154.63,1053.01 ccw(c154.93,1051.49)
  region net EXP_GPIO_IO26: 215.75,2159.02 187.8,2159.02 187.53,2129.26 217.28,2129.53 217.3,2157.48 ccw(c215.76,2157.48)
  region net EXP_GPIO_IO20: 63.95,2082 88.33,2100.77 87.98,2129.87 61.48,2126.37 61.46,2083.22 ccw(c63,2083.22)
  region net EXP_GPIO_IO05: 217.3,1701.58 217.28,1729.53 187.53,1729.8 187.8,1700.04 215.75,1700.04 ccw(c215.75,1701.59)
  region net EXP_GPIO_IO12: 51.8,1828.44 66.95,1813.29 88.19,1829.53 66.95,1845.77 51.8,1830.62 ccw(c52.89,1829.53)
  region net EXP_GPIO_IO16: 50.73,2020.4 67.44,2020.4 88.18,2029.61 58.32,2029.53 50.73,2021.94
  text "FRDM-IMX93 REV B ARTWORK LAYER08" at 550,-1175 h100
GND09:
  text "FRDM-IMX93 REV B GROUND PLANE09" at 550,-1175 h100
BOTTOM:
  region net ENET2_TRXP0: 3844.26,633.79 3850.56,671.96 3821.3,677.08 3807.89,650.59 3842.24,632.78 ccw(c3842.88,634.02)
  region net GND: 1992.8,2155 2021.72,2155 ccw(c2035.01,2161.98) 2024.38,2151.38 2027.78,2147.98 2027.78,2139.98 2022.8,2135 1999.52,2135 1996,2135 1987.8,2143.2 1987.8,2146.72 1987.8,2150
  region net CAN_H: 4074.63,1913.61 4074.63,1937.61 4046.51,1938.23 4047.13,1910.11 4071.13,1910.11 ccw(c4071.13,1913.61)
  region net ENET1_TRXN1: 3220.35,619.77 3214.02,581.61 3243.27,576.46 3256.7,602.94 3222.37,620.78 ccw(c3221.73,619.54)
  region net EXP_GPIO_IO02: 215.49,459.03 187.8,459.03 187.48,429.21 217.3,429.53 217.3,457.22 ccw(c215.49,457.22)
  region net ENET2_TRXP1: 3944.26,633.79 3950.56,671.96 3921.3,677.08 3907.89,650.59 3942.24,632.78 ccw(c3942.88,634.02)
  region net ENET2_TRXN1: 3948.67,619.75 3942.36,581.59 3971.62,576.46 3985.03,602.95 3950.69,620.76 ccw(c3950.05,619.52)
  region net ENET2_TRXN0: 3848.67,619.75 3842.36,581.59 3871.62,576.46 3885.03,602.95 3850.69,620.76 ccw(c3850.05,619.52)
  region net ENET1_TRXP1: 3215.88,633.77 3222.21,671.94 3192.95,677.08 3179.52,650.59 3213.86,632.76 ccw(c3214.5,634)
  region net EXP_GPIO_IO03: 228.24,530.81 208.65,550.38 187.35,529.53 208.65,508.68 228.24,528.25 ccw(c226.96,529.53)
  region net JTAG_TCK: 2891.75,2184.16 2907.21,2168.7 2938.16,2185.33 2907.21,2201.96 2891.75,2186.5 ccw(c2893.13,2185.33)
  region net ENET1_TRXN0: 3120.35,619.77 3114.02,581.61 3143.27,576.46 3156.7,602.94 3122.37,620.78 ccw(c3121.73,619.54)
  region net CAN_L: 4074.3,1813.94 4074.29,1837.28 4046.51,1838.23 4047.46,1810.45 4070.8,1810.44 ccw(c4070.8,1813.94)
  region net ENET1_TRXP0: 3115.88,633.77 3122.21,671.94 3092.95,677.08 3079.52,650.59 3113.86,632.76 ccw(c3114.5,634)
  text "FRDM-IMX93 REV B ARTWORK BOTTOM" at 3850,-1325 h100
Multi-Layer:
  pour cut-out: 2930.8,1897.78 ccw(c2930.8,1883.78) 2916.8,1883.78 ccw(c2930.8,1883.78) 2930.8,1869.78 2956.8,1869.78 ccw(c2956.8,1883.78) 2970.8,1883.78 ccw(c2956.8,1883.78) 2956.8,1897.78
  pour cut-out: 2850.8,1897.78 ccw(c2850.8,1883.78) 2836.8,1883.78 ccw(c2850.8,1883.78) 2850.8,1869.78 2876.8,1869.78 ccw(c2876.8,1883.78) 2890.8,1883.78 ccw(c2876.8,1883.78) 2876.8,1897.78
  pour cut-out: 505.8,1549.45 cw(c505.8,1564.45) 505.8,1579.45 535.8,1579.45 cw(c535.8,1564.45) 535.8,1549.45
  pour cut-out: 2584.3,2036 cw(c2584.3,2050) 2584.3,2064 2610.3,2064 cw(c2610.3,2050) 2610.3,2036
  pour cut-out: 1497.8,1290 cw(c1482.8,1290) 1467.8,1290 1467.8,1325 cw(c1482.8,1325) 1497.8,1325
  pour cut-out: 1412.8,1325 cw(c1427.8,1325) 1442.8,1325 1442.8,1290 cw(c1427.8,1290) 1412.8,1290
  pour cut-out: 2848.3,2057.63 cw(c2848.3,2071.63) 2848.3,2085.63 2874.3,2085.63 cw(c2874.3,2071.63) 2874.3,2057.63
  pour cut-out: 3808.2,2360.23 ccw(c3775.2,2360.23) 3757.43,2332.42 3792.97,2332.42 ccw(c3775.2,2360.23)
  pour cut-out: 505.8,1369.45 cw(c505.8,1384.45) 505.8,1399.45 535.8,1399.45 cw(c535.8,1384.45) 535.8,1369.45
  pour cut-out: 2326.2,590 cw(c2326.2,575) 2326.2,560 2298.2,560 cw(c2298.2,575) 2298.2,590
  pour cut-out: 505.8,1639.45 cw(c505.8,1654.45) 505.8,1669.45 535.8,1669.45 cw(c535.8,1654.45) 535.8,1639.45
  pour cut-out: 505.8,1414.45 cw(c505.8,1429.45) 505.8,1444.45 535.8,1444.45 cw(c535.8,1429.45) 535.8,1414.45
  pour cut-out: 402.8,430 cw(c417.8,430) 432.8,430 432.8,400 cw(c417.8,400) 402.8,400
  pour cut-out: 3042.32,837.84 cw(c3042.32,822.84) 3042.32,807.84 3012.32,807.84 cw(c3012.32,822.84) 3012.32,837.84
  pour cut-out: 505.8,1684.45 cw(c505.8,1699.45) 505.8,1714.45 535.8,1714.45 cw(c535.8,1699.45) 535.8,1684.45
  pour cut-out: 3580.64,2360.23 ccw(c3547.64,2360.23) 3528.86,2333.09 3566.41,2333.09 ccw(c3547.64,2360.23)
  pour cut-out: 505.8,1279.45 cw(c505.8,1294.45) 505.8,1309.45 535.8,1309.45 cw(c535.8,1294.45) 535.8,1279.45
  pour cut-out: 505.8,1324.45 cw(c505.8,1339.45) 505.8,1354.45 535.8,1354.45 cw(c535.8,1339.45) 535.8,1324.45
  pour cut-out: 3296.39,2360.23 ccw(c3263.39,2360.23) 3244.61,2333.09 3282.16,2333.09 ccw(c3263.39,2360.23)
  pour cut-out: 2620.3,1996 cw(c2620.3,2010) 2620.3,2024 2646.3,2024 cw(c2646.3,2010) 2646.3,1996
  pour cut-out: 2846.8,2252.5 cw(c2832.8,2252.5) 2818.8,2252.5 2818.8,2278.5 cw(c2832.8,2278.5) 2846.8,2278.5
  pour cut-out: 3588.8,783 cw(c3573.8,783) 3558.8,783 3558.8,818 cw(c3573.8,818) 3588.8,818
  pour cut-out: 505.8,1189.45 cw(c505.8,1204.45) 505.8,1219.45 535.8,1219.45 cw(c535.8,1204.45) 535.8,1189.45
  pour cut-out: 505.8,1459.45 cw(c505.8,1474.45) 505.8,1489.45 535.8,1489.45 cw(c535.8,1474.45) 535.8,1459.45
  pour cut-out: 1522.8,1325 cw(c1537.8,1325) 1552.8,1325 1552.8,1290 cw(c1537.8,1290) 1522.8,1290
  pour cut-out: 505.8,1594.45 cw(c505.8,1609.45) 505.8,1624.45 535.8,1624.45 cw(c535.8,1609.45) 535.8,1594.45
  pour cut-out: 2164.72,2174.48 cw(c2164.72,2188.98) 2164.72,2203.48 2190.72,2203.48 cw(c2190.72,2188.98) 2190.72,2174.48
  pour cut-out: 505.8,1504.45 cw(c505.8,1519.45) 505.8,1534.45 535.8,1534.45 cw(c535.8,1519.45) 535.8,1504.45
  pour cut-out: 3666.51,803.61 cw(c3654.81,794.24) 3669.8,794.24 cw(c3654.8,794.24) 3654.8,779.24 cw(c3654.8,794.23) 3643.09,784.87 3623.09,809.87 cw(c3634.79,819.24) 3619.8,819.24 cw(c3634.8,819.24) 3634.8,834.24 cw(c3634.8,819.25) 3646.51,828.61
  pour cut-out: 505.8,1234.45 cw(c505.8,1249.45) 505.8,1264.45 535.8,1264.45 cw(c535.8,1249.45) 535.8,1234.45
  pour cut-out: 613.34,1222.54 cw(c622.52,1231.73) 609.53,1231.73 cw(c622.53,1231.73) 622.53,1244.73 cw(c622.53,1231.74) 631.72,1240.92 652.94,1219.71 cw(c643.76,1210.52) 656.75,1210.52 cw(c643.75,1210.52) 643.75,1197.52 cw(c643.75,1210.51) 634.56,1201.33
  pour cut-out: 1357.8,1325 cw(c1372.8,1325) 1387.8,1325 1387.8,1290 cw(c1372.8,1290) 1357.8,1290
  pour cut-out: 3068.83,2360.23 ccw(c3035.83,2360.23) 3017.05,2333.09 3054.6,2333.09 ccw(c3035.83,2360.23)
  pour cut-out: 1577.8,1325 cw(c1592.8,1325) 1607.8,1325 1607.8,1290 cw(c1592.8,1290) 1577.8,1290
  pour cut-out: 2832.83,1941 cw(c2832.83,1955) 2832.83,1969 2858.83,1969 cw(c2858.83,1955) 2858.83,1941
  pour cut-out: 2946.8,783 cw(c2931.8,783) 2916.8,783 2916.8,818 cw(c2931.8,818) 2946.8,818
  pour cut-out: 2406.3,1873.15 cw(c2406.3,1859.15) 2406.3,1845.15 2380.3,1845.15 cw(c2380.3,1859.15) 2380.3,1873.15
  pour cut-out: 2247.88,2370.98 cw(c2247.88,2355.98) 2247.88,2340.98 2217.88,2340.98 cw(c2217.88,2355.98) 2217.88,2370.98
  pour cut-out: 989.26,366.14 987.75,377.63 983.31,388.33 976.26,397.52 967.07,404.57 956.37,409.01 944.88,410.52 933.39,409.01 922.69,404.57 913.5,397.52 906.45,388.33 902.01,377.63 900.5,366.14 902.01,354.65 906.45,343.95 913.5,334.76 922.69,327.71 933.39,323.27 944.88,321.76 956.37,323.27 967.07,327.71 976.26,334.76 983.31,343.95 987.75,354.65 989.26,366.14
  pour cut-out: 19.69,5296.84 -19.69,5296.84 -19.69,5690.54 19.69,5690.54
  pour cut-out: 1837.6,2472.06 1836.22,2482.5 1832.19,2492.23 1825.78,2500.59 1817.42,2507 1807.69,2511.03 1797.25,2512.41 1786.81,2511.03 1777.08,2507 1768.72,2500.59 1762.31,2492.23 1758.28,2482.5 1756.9,2472.06 1758.28,2461.62 1762.31,2451.89 1768.72,2443.53 1777.08,2437.12 1786.81,2433.09 1797.25,2431.71 1807.69,2433.09 1817.42,2437.12 1825.78,2443.53 1832.19,2451.89 1836.22,2461.62 1837.6,2472.06
  pour cut-out: 3979.02,1556.26 3977.71,1566.18 3973.88,1575.42 3967.79,1583.36 3959.85,1589.45 3950.61,1593.28 3940.69,1594.59 3930.77,1593.28 3921.53,1589.45 3913.59,1583.36 3907.5,1575.42 3903.67,1566.18 3902.36,1556.26 3903.67,1546.34 3907.5,1537.1 3913.59,1529.16 3921.53,1523.07 3930.77,1519.24 3940.69,1517.93 3950.61,1519.24 3959.85,1523.07 3967.79,1529.16 3973.88,1537.1 3977.71,1546.34 3979.02,1556.26
  pour cut-out: 391.94,198.82 390.81,207.43 387.49,215.46 382.2,222.36 375.3,227.65 367.27,230.97 358.66,232.1 350.05,230.97 342.02,227.65 335.12,222.36 329.83,215.46 326.51,207.43 325.38,198.82 326.51,190.21 329.83,182.18 335.12,175.28 342.02,169.99 350.05,166.67 358.66,165.54 367.27,166.67 375.3,169.99 382.2,175.28 387.49,182.18 390.81,190.21 391.94,198.82
  pour cut-out: 2487.21,2477.19 2485.83,2487.63 2481.8,2497.36 2475.39,2505.72 2467.03,2512.13 2457.3,2516.16 2446.86,2517.54 2436.42,2516.16 2426.69,2512.13 2418.33,2505.72 2411.92,2497.36 2407.89,2487.63 2406.51,2477.19 2407.89,2466.75 2411.92,2457.02 2418.33,2448.66 2426.69,2442.25 2436.42,2438.22 2446.86,2436.84 2457.3,2438.22 2467.03,2442.25 2475.39,2448.66 2481.8,2457.02 2485.83,2466.75 2487.21,2477.19
  pour cut-out: 989.26,90.55 987.75,102.04 983.31,112.74 976.26,121.93 967.07,128.98 956.37,133.42 944.88,134.93 933.39,133.42 922.69,128.98 913.5,121.93 906.45,112.74 902.01,102.04 900.5,90.55 902.01,79.06 906.45,68.36 913.5,59.17 922.69,52.12 933.39,47.68 944.88,46.17 956.37,47.68 967.07,52.12 976.26,59.17 983.31,68.36 987.75,79.06 989.26,90.55
  pour cut-out: 1747.04,2472.06 1745.66,2482.5 1741.63,2492.23 1735.22,2500.59 1726.86,2507 1717.13,2511.03 1706.69,2512.41 1696.25,2511.03 1686.52,2507 1678.16,2500.59 1671.75,2492.23 1667.72,2482.5 1666.34,2472.06 1667.72,2461.62 1671.75,2451.89 1678.16,2443.53 1686.52,2437.12 1696.25,2433.09 1706.69,2431.71 1717.13,2433.09 1726.86,2437.12 1735.22,2443.53 1741.63,2451.89 1745.66,2461.62 1747.04,2472.06
  pour cut-out: 3979.02,1241.3 3977.71,1251.22 3973.88,1260.46 3967.79,1268.4 3959.85,1274.49 3950.61,1278.32 3940.69,1279.63 3930.77,1278.32 3921.53,1274.49 3913.59,1268.4 3907.5,1260.46 3903.67,1251.22 3902.36,1241.3 3903.67,1231.38 3907.5,1222.14 3913.59,1214.2 3921.53,1208.11 3930.77,1204.28 3940.69,1202.97 3950.61,1204.28 3959.85,1208.11 3967.79,1214.2 3973.88,1222.14 3977.71,1231.38 3979.02,1241.3
  pour cut-out: 1382.41,2473.25 1381.03,2483.69 1377,2493.42 1370.59,2501.78 1362.23,2508.19 1352.5,2512.22 1342.06,2513.6 1331.62,2512.22 1321.89,2508.19 1313.53,2501.78 1307.12,2493.42 1303.09,2483.69 1301.71,2473.25 1303.09,2462.81 1307.12,2453.08 1313.53,2444.72 1321.89,2438.31 1331.62,2434.28 1342.06,2432.9 1352.5,2434.28 1362.23,2438.31 1370.59,2444.72 1377,2453.08 1381.03,2462.81 1382.41,2473.25
  pour cut-out: 619.5,198.82 618.37,207.43 615.05,215.46 609.76,222.36 602.86,227.65 594.83,230.97 586.22,232.1 577.61,230.97 569.58,227.65 562.68,222.36 557.39,215.46 554.07,207.43 552.94,198.82 554.07,190.21 557.39,182.18 562.68,175.28 569.58,169.99 577.61,166.67 586.22,165.54 594.83,166.67 602.86,169.99 609.76,175.28 615.05,182.18 618.37,190.21 619.5,198.82
  pour cut-out: 2396.65,2477.19 2395.27,2487.63 2391.24,2497.36 2384.83,2505.72 2376.47,2512.13 2366.74,2516.16 2356.3,2517.54 2345.86,2516.16 2336.13,2512.13 2327.77,2505.72 2321.36,2497.36 2317.33,2487.63 2315.95,2477.19 2317.33,2466.75 2321.36,2457.02 2327.77,2448.66 2336.13,2442.25 2345.86,2438.22 2356.3,2436.84 2366.74,2438.22 2376.47,2442.25 2384.83,2448.66 2391.24,2457.02 2395.27,2466.75 2396.65,2477.19
  pour cut-out: 1472.97,2473.25 1471.59,2483.69 1467.56,2493.42 1461.15,2501.78 1452.79,2508.19 1443.06,2512.22 1432.62,2513.6 1422.18,2512.22 1412.45,2508.19 1404.09,2501.78 1397.68,2493.42 1393.65,2483.69 1392.27,2473.25 1393.65,2462.81 1397.68,2453.08 1404.09,2444.72 1412.45,2438.31 1422.18,2434.28 1432.62,2432.9 1443.06,2434.28 1452.79,2438.31 1461.15,2444.72 1467.56,2453.08 1471.59,2462.81 1472.97,2473.25
  pour cut-out: 4153.56,5171.84 4153.56,5565.54 4114.18,5565.54 4114.18,5171.84

## Text inside footprints (layer, text, board x,y; h text height)
C713: Bottom Pin Number "2" at 2090.68,1027.12 h15 r270; Bottom Pin Number "1" at 2090.68,1081.12 h15 r270
C714: Bottom Pin Number "2" at 1954.92,1422.12 h15 r180; Bottom Pin Number "1" at 2008.92,1422.12 h15 r180
C715: Bottom Pin Number "2" at 1954.92,1367.12 h15 r180; Bottom Pin Number "1" at 2008.92,1367.12 h15 r180
C716: Top Pin Number "1" at 2172.38,1210.29 h10 r270; Top Pin Number "2" at 2172.38,1186.05 h10 r270
C717: Top Pin Number "1" at 2183.22,1229.71 h10 r90; Top Pin Number "2" at 2183.22,1253.95 h10 r90
C718: Bottom Pin Number "2" at 2043.92,1282.88 h15 r90; Bottom Pin Number "1" at 2043.92,1228.88 h15 r90
C719: Bottom Pin Number "2" at 2071.92,1367.12 h15 r180; Bottom Pin Number "1" at 2125.92,1367.12 h15 r180
C720: Bottom Pin Number "2" at 2071.92,1422.12 h15 r180; Bottom Pin Number "1" at 2125.92,1422.12 h15 r180
C721: Bottom Pin Number "2" at 1984.92,1282.88 h15 r90; Bottom Pin Number "1" at 1984.92,1228.88 h15 r90
C722: Top Pin Number "2" at 2036.92,750.88 h15; Top Pin Number "1" at 2090.92,750.88 h15
C723: Bottom Pin Number "2" at 2062.92,848.12 h15 r180; Bottom Pin Number "1" at 2116.92,848.12 h15 r180
C724: Bottom Pin Number "1" at 1930.65,1262.66 h10 r90; Bottom Pin Number "2" at 1930.65,1296.47 h10 r90
C725: Top Pin Number "1" at 1921.64,1412.34 h10 r90; Top Pin Number "2" at 1921.64,1378.53 h10 r90
C726: Bottom Pin Number "2" at 1989.92,1047.88 h15 r90; Bottom Pin Number "1" at 1989.92,993.88 h15 r90
C727: Top Pin Number "1" at 2197.51,1064.58 h10; Top Pin Number "2" at 2221.75,1064.58 h10
C728: Top Pin Number "1" at 2202.51,1014.58 h10; Top Pin Number "2" at 2226.75,1014.58 h10
C729: Top Pin Number "1" at 2078.95,821.66 h10 r270; Top Pin Number "2" at 2078.96,855.47 h10 r270
C730: Top Pin Number "1" at 2163.95,940.66 h10 r270; Top Pin Number "2" at 2163.96,974.47 h10 r270
C731: Top Pin Number "1" at 2123.95,821.66 h10 r270; Top Pin Number "2" at 2123.96,855.47 h10 r270
C810: Top Pin Number "1" at 1294.38,1545.29 h10 r270; Top Pin Number "2" at 1294.38,1521.05 h10 r270
C813: Top Pin Number "1" at 2217.38,1120.29 h10 r270; Top Pin Number "2" at 2217.38,1096.05 h10 r270
C814: Bottom Pin Number "1" at 395.66,1869.15 h10; Bottom Pin Number "2" at 429.47,1869.15 h10
C815: Bottom Pin Number "1" at 2464.46,1181.15 h10; Bottom Pin Number "2" at 2498.27,1181.15 h10
C817: Top Pin Number "1" at 410.09,1621.42 h10 r180; Top Pin Number "2" at 385.85,1621.42 h10 r180
C818: Top Pin Number "1" at 410.09,1596.42 h10 r180; Top Pin Number "2" at 385.85,1596.42 h10 r180
C819: Top Pin Number "1" at 3125.95,1560.66 h10 r270; Top Pin Number "2" at 3125.96,1594.47 h10 r270
C820: Bottom Pin Number "1" at 3241.39,1845.85 h20 r90; Bottom Pin Number "2" at 3241.39,1915.84 h20 r90
C821: Top Pin Number "2" at 3241.39,1834.16 h20 r90; Top Pin Number "1" at 3241.39,1904.15 h20 r90
C822: Bottom Pin Number "1" at 3218.46,1621.15 h10; Bottom Pin Number "2" at 3252.27,1621.15 h10
C823: Bottom Pin Number "2" at 3161.39,1915.84 h20 r90; Bottom Pin Number "1" at 3161.39,1845.85 h20 r90
C824: Top Pin Number "2" at 3161.39,1834.16 h20 r90; Top Pin Number "1" at 3161.39,1904.15 h20 r90